# Allegro board SG2042_EVB_V1_1.brd (continued)
## Routing (per net, layer and track width the routed paths; a pad name or vN(x,y) marks a point on that pad's centre or on a via; arc(x,y) is an arc through that point) (continued)
GND_EARTH: length 26.9
  TOP w0.254: J9.14 34.31,234.92 ; J9.14 30.96,234.92 ; J9.14 32.64,233.25 ; J9.14 32.64,236.6 ; 14.71,234.92 J9.13 ; J9.13 16.39,233.25 ; J9.13 16.39,236.6 ; J9.13 18.06,234.92
  BOTTOM w0.254: J9.14 34.31,234.92 ; J9.14 30.96,234.92 ; J9.14 32.64,236.6 ; J9.14 32.64,233.25 ; 14.71,234.92 J9.13 ; J9.13 16.39,236.6 ; J9.13 16.39,233.25 ; J9.13 18.06,234.92
  vias: v1(15.24,243.23) v1(15.24,240.69) v1(15.24,238.15) v1(15.24,230.53) v1(15.24,227.99) v1(15.24,225.45) v1(15.7,223.67) v1(15.7,222.81) v1(15.7,221.95) v1(16.51,241.96) v1(16.51,231.8) v1(16.51,226.72) v1(16.56,223.67) v1(16.56,222.81) v1(16.56,221.95) v1(17.78,243.23) v1(17.78,240.69) v1(17.78,233.07) v1(17.78,230.53) v1(17.78,225.45) v1(18.03,227.86) v1(18.49,222.46) v1(19.05,241.96) v1(19.05,234.34) v1(19.05,231.8) v1(19.05,226.72) v1(20.32,243.23) v1(20.32,240.69) v1(20.32,238.15) v1(20.32,233.07) v1(20.32,227.99) v1(20.38,222.46) v1(21.59,241.96) v1(21.59,239.42) v1(21.59,236.88) v1(21.59,224.18) v1(22.3,222.46) v1(22.86,243.23) v1(22.86,240.69) v1(22.86,238.15) v1(22.86,233.07) v1(22.86,230.53) v1(22.86,227.99) v1(22.86,225.45) v1(24.13,241.96) v1(24.13,239.42) v1(24.13,229.26) v1(24.13,226.72) v1(24.19,222.46) v1(25.4,243.23) v1(25.4,240.69) v1(25.4,238.15) v1(26.11,222.46) v1(26.49,232.94) v1(26.67,241.96) v1(26.67,239.42) v1(26.67,226.72) v1(27.94,243.23) v1(27.94,240.69) v1(27.94,238.15) v1(27.94,227.99) v1(27.94,225.45) v1(28,222.46) v1(29.21,241.96) v1(29.21,236.88) v1(29.21,234.34) v1(29.21,231.8) v1(29.21,226.72) v1(29.21,224.18) v1(29.92,222.46) v1(30.48,243.23) v1(30.48,240.69) v1(30.48,235.61) v1(30.48,233.07) v1(30.48,230.53) v1(30.48,225.45) v1(30.99,227.86) v1(31.75,241.96) v1(31.75,231.8) v1(31.81,222.46) v1(32.46,223.67) v1(32.46,222.81) v1(32.46,221.95) v1(33.02,243.23) v1(33.02,240.69) v1(33.02,238.15) v1(33.02,233.07) v1(33.02,230.53) v1(33.02,227.99) v1(33.32,223.67) v1(33.32,222.81) v1(33.32,221.95) v1(34.29,241.96) v1(34.29,239.42) v1(34.29,236.88) v1(34.29,231.8) v1(34.29,229.26) v1(34.29,226.72)
VBAT: length 4.8
  TOP w0.508: BT2000.1 U2001.3
VBUS1: length 4.9
  TOP w0.254: v1(280.62,235.53) C597.1 C593.1 282.32,235.31 U15.7 ; U15.8 v1(280.47,233.12)
  TOP w0.381: FB8.1 v1(287.1,234.7)
VBUS2: length 4.9
  TOP w0.254: v1(269.52,235.53) C1670.1 C1671.1 271.22,235.31 U805.7 ; U805.8 v1(269.37,233.12)
  TOP w0.381: FB1106.1 v1(276,234.7)
VBUS3: length 4.9
  TOP w0.254: v1(258.42,235.53) C3168.1 C3169.1 260.12,235.31 U2002.7 ; U2002.8 v1(258.27,233.12)
  TOP w0.381: FB2001.1 v1(264.9,234.7)
VCC_SD: length 17.1
  TOP w0.254: C531.2 47.09,223.62 v1(47.02,223.55) 46.79,223.55 FB2.1 ; C531.2 R45.1 ; C531.2 C532.2 C533.2 C534.2 C535.2 47.37,227.33 J8.4 ; R48.1 v1(44.88,224.31) ; R2127.1 v1(51.46,224.31)
  ART10 w0.254: v1(51.46,224.31) 50.22,223.06 47.5,223.06 v1(47.02,223.55) 45.64,223.55 v1(44.88,224.31)
VDD_3V3: length 516.1
  TOP w0.203: v1(61.72,200.1) 61.67,200.05 U37.47
  TOP w0.254: R2405.2 v1(246.18,44.4) R2404.2 ; R2402.2 v1(286.82,44.4) R2401.2 ; R574.2 v1(145.44,8.97) ; R2431.2 v1(157.28,12.7) ; v1(230.23,201.35) R1357.1 R1353.1 R1354.1 R1355.1 ; R1306.2 R443.1 221.74,116.92 C3153.1 221.21,116.74 C3152.1 221.53,115.45 U47.10 ; R2429.2 v1(154.69,12.7) ; v1(275.03,45.14) R2400.2 ; R2407.2 v1(29.77,103.66) ; R1363.1 R1364.1 v1(52.04,199.42) ; v1(44.58,197.99) R1360.1 R1361.1 R1362.1 ; R1356.1 v1(233.02,201.35) ; U56.10 54.19,117.71 C3151.1 53.87,119 C3149.1 54.41,119.18 R655.1 R1305.2 ; U2011.19 v1(17.59,186.16) ; R2408.2 v1(17.98,104.4) R2406.2 ; R2430.2 v1(155.55,11.89) ; R2403.2 v1(234.39,45.14)
  TOP w0.305: v1(289.41,224.13) C3283.2 290.02,222.72 290.32,222.42 U12.19 ; U806.19 290.27,155.51 289.97,155.82 C3285.2 v1(289.36,157.23) ; U807.19 290.27,140.27 289.97,140.58 C3287.2 v1(289.36,141.99) ; U814.19 205.89,220.72 205.59,221.02 C3289.1 v1(204.98,222.43) ; U2003.19 v1(289.21,189.02) ; U14.19 290.32,207.18 290.02,207.48 C3284.2 v1(289.41,208.89) ; U2006.19 289.46,173.78 289.15,174.08 C3286.2 v1(288.54,175.49)
  TOP w0.381: C3149.1 v1(53.7,119.94) ; FB3.2 v1(22.89,189.23) ; v1(90.09,217.14) 90.09,213.11 T47.1
  ART03 w0.254: v1(275.03,45.14) 276.56,43.61 286.03,43.61 v1(286.82,44.4) ; v1(246.18,44.4) 245.39,43.61 235.92,43.61 v1(234.39,45.14) ; v1(17.98,104.4) 18.99,105.41 28.02,105.41 v1(29.77,103.66) 31.44,105.33 38.79,105.33 53.39,119.94 v1(53.7,119.94) v1(53.7,120.4)
  ART03 w0.381: v1(154.69,12.7) 149.17,12.7 v1(145.44,8.97) ; v1(52.04,199.42) 53.7,201.07 60.22,201.07 61.19,200.1 v1(61.72,200.1)
  ART03 w1.016: v1(233.48,211.38) 235.08,209.78 266.04,209.78 267.46,211.2 269.21,211.2 271.65,208.76 283.49,208.76 285.01,207.24 v1(289.41,207.24)
  ART05 w0.254: 299.69,192.99 J14.2 ; J14.2 301.57,192.99 ; J14.2 300.63,193.93 ; J14.2 300.63,192.05 ; J13.1 300.63,132.59 ; J13.1 299.69,131.65 ; J13.1 301.57,131.65 ; J13.1 300.63,130.71 ; 297.2,226.49 J2007.1 ; J2007.1 298.15,227.43 ; J2007.1 298.15,225.55 ; J2007.1 299.09,226.49 ; 297.2,223.95 J2007.3 ; J2007.3 298.15,223.01 ; J2007.3 299.09,223.95 ; J2007.3 298.15,224.89 ; J2007.4 301.63,223.95 ; J2007.4 299.74,223.95 ; J2007.4 300.69,224.89 ; J2007.4 300.69,223.01 ; J2007.2 300.69,227.43 ; J2007.2 300.69,225.55 ; J2007.2 299.74,226.49 ; J2007.2 301.63,226.49 ; J14.1 298.09,193.93 ; J14.1 299.03,192.99 ; J14.1 297.15,192.99 ; J14.1 298.09,192.05
  PWR07 w0.254: v1(275.03,45.14) 274.29,44.4 248.01,44.4 247.52,44.88 246.66,44.88 v1(246.18,44.4)
  ART10 w0.254: v1(204.98,222.43) v1(204.98,210.29) ; v1(89.48,224.26) 90.78,222.96 90.78,217.83 v1(90.09,217.14)
  ART10 w0.381: v1(17.59,186.16) 16.25,186.16 10.08,192.33 5.51,192.33 J2020.1 ; v1(289.13,15.93) 284.73,11.53 206.2,11.53 204.47,13.26 175.19,13.26 174.63,12.7 v1(157.28,12.7) 156.46,11.89 v1(155.55,11.89) 155.5,11.89 v1(154.69,12.7) 147.5,19.89 146.99,19.89 142.44,24.43 v1(135.03,24.43)
  BOTTOM w0.254: R621.1 v1(233.48,211.38) ; 61.09,200.08 61.7,200.08 v1(61.72,200.1) ; R2190.2 R2191.2 R2192.2 R2193.2 R2194.2 R2195.2 R2196.2 R2197.2 v1(293.6,183.01) ; v1(89.48,224.26) C1212.1 R337.2
  BOTTOM w0.381: v1(52.04,199.42) 46,199.42 v1(44.58,197.99) 38.38,197.99 30.28,189.89 23.55,189.89 v1(22.89,189.23) 20.66,189.23 v1(17.59,186.16) ; FB12.1 v1(135.03,24.43)
  vias: v1(87.81,217.14) v1(88.27,217.14) v1(88.72,217.14) v1(89.18,217.14) v1(89.64,217.14) v1(221.23,118.14) v1(221.23,117.68)
VDD_12V: length 167.3
  TOP w0.102: U2005.5 112.5,219.56 112.22,219.28 112.22,216.54 111.65,215.98 109.55,215.98 109.45,215.87 R2393.1
  TOP w0.254: U55.28 52.53,77.04 ; U34.25 181.38,198.19 ; U36.28 161.27,199.54 ; v1(225.48,216.48) R622.1 R2449.1 ; C1348.1 120.04,201.63 ; C1298.1 130.1,201.63 ; 217.8,75.16 U54.30 218.22,74.48 ; 150.06,201.67 U39.30 150.47,200.82 ; U34.26 181.38,198.64 ; 53.68,75.09 U55.30 53.26,75.77 ; 180.23,201.67 U34.30 180.65,200.82 ; U35.26 171.32,198.64 ; U54.26 217.07,77.33 ; 99.76,201.67 U44.30 100.18,200.82 ; U42.25 121.03,198.19 ; U44.25 100.91,198.19 ; U41.25 110.97,198.19 ; 160.11,201.67 U36.30 160.53,200.82 ; U41.28 110.97,199.54 ; U40.25 141.15,198.19 ; U40.27 141.15,199.09 ; 170.65,200.67 U35.29 171.32,199.99 ; U35.27 171.32,199.09 ; 131.09,199.99 U38.29 130.41,200.67 ; U43.28 122.45,16.99 ; U38.26 131.09,198.64 ; C1363.1 123.44,14.91 ; 140,201.67 U40.30 140.41,200.82 ; 141.15,199.99 U40.29 140.47,200.67 ; U44.26 100.91,198.64 ; U55.27 52.53,77.49 ; U39.25 151.21,198.19 ; 110.97,199.99 U41.29 110.3,200.67 ; U38.28 131.09,199.54 ; C1244.1 170.33,201.63 ; U36.27 161.27,199.09 ; 100.24,200.67 U44.29 100.91,199.99 ; C1239.1 180.39,201.63 ; 129.94,201.67 U38.30 130.36,200.82 ; 123.13,15.87 U43.29 122.45,16.54 ; U44.27 100.91,199.09 ; U43.27 122.45,17.44 ; U42.28 121.03,199.54 ; U55.25 52.53,78.39 ; U36.26 161.27,198.64 ; C1304.1 140.16,201.63 ; 170.17,201.67 U35.30 170.59,200.82 ; U34.27 181.38,199.09 ; 160.59,200.67 U36.29 161.27,199.99 ; U39.26 151.21,198.64 ; U35.28 171.32,199.54 ; v1(66.32,200.41) R2447.1 R364.1 ; 121.03,199.99 U42.29 120.36,200.67 ; U54.27 217.07,76.88 ; 180.71,200.67 U34.29 181.38,199.99 ; 217.74,75.3 U54.29 217.07,75.98 ; U42.27 121.03,199.09 ; U44.28 100.91,199.54 ; 109.82,201.67 U41.30 110.24,200.82 ; 120.3,200.82 U42.30 119.88,201.67 ; C1516.1 53.52,74.96 ; U54.28 217.07,76.43 ; U41.26 110.97,198.64 ; C1353.1 109.98,201.63 ; U38.27 131.09,199.09 ; U35.25 171.32,198.19 ; 123.6,15.04 U43.30 123.19,15.72 ; U55.26 52.53,77.94 ; C1295.1 150.22,201.63 ; C1358.1 99.92,201.63 ; C1249.1 160.27,201.63 ; U40.28 141.15,199.54 ; U43.25 122.45,18.34 ; C1499.1 218.06,74.35 ; U39.27 151.21,199.09 ; U39.28 151.21,199.54 ; U36.25 161.27,198.19 ; 52.53,76.59 U55.29 53.2,75.91 ; U38.25 131.09,198.19 ; U54.25 217.07,77.78 ; U42.26 121.03,198.64 ; 151.21,199.99 U39.29 150.53,200.67 ; U41.27 110.97,199.09 ; U34.28 181.38,199.54 ; U43.26 122.45,17.89 ; U40.26 141.15,198.64
  ART03 w0.381: v1(98.44,199.7) 97.74,200.41 91.26,200.41 90.17,201.5 67.41,201.5 v1(66.32,200.41)
  BOTTOM w0.254: 181.64,201.57 184.91,201.57 188.29,204.95 202.95,204.95 213.79,215.8 224.79,215.8 v1(225.48,216.48)
  vias: v1(52.43,77.93) v1(52.43,77.06) v1(52.43,76.2) v1(53.19,75.16) v1(53.75,76.86) v1(54.39,77.49) v1(55.02,78.13) v1(55.02,76.86) v1(98.44,198.48) v1(99.05,199.09) v1(99.66,199.7) v1(99.66,198.48) v1(100.25,201.42) v1(101.02,200.38) v1(101.02,199.52) v1(101.02,198.65) v1(107.47,212.34) v1(107.47,211.89) v1(107.92,212.34) v1(107.92,211.89) v1(108.38,212.34) v1(108.38,211.89) v1(108.5,199.7) v1(108.5,198.48) v1(108.84,212.34) v1(108.84,211.89) v1(109.11,199.09) v1(109.3,212.34) v1(109.3,211.89) v1(109.72,199.7) v1(109.72,198.48) v1(109.75,212.34) v1(109.75,211.89) v1(110.21,212.34) v1(110.21,211.89) v1(110.31,201.42) v1(110.67,212.34) v1(110.67,211.89) v1(111.12,212.34) v1(111.12,211.89) v1(111.07,200.38) v1(111.07,199.52) v1(111.07,198.65) v1(111.58,212.34) v1(111.58,211.89) v1(118.56,199.7) v1(118.56,198.48) v1(119.17,199.09) v1(119.78,199.7) v1(119.78,198.48) v1(120.37,201.42) v1(121.13,200.38) v1(121.13,199.52) v1(121.13,198.65) v1(122.35,17.88) v1(122.35,17.02) v1(122.35,16.15) v1(123.11,15.11) v1(123.68,16.81) v1(124.31,17.44) v1(124.95,18.08) v1(124.95,16.81) v1(128.62,199.7) v1(128.62,198.48) v1(129.23,199.09) v1(129.84,199.7) v1(129.84,198.48) v1(130.43,201.42) v1(131.19,200.38) v1(131.19,199.52) v1(131.19,198.65) v1(138.68,199.7) v1(138.68,198.48) v1(139.29,199.09) v1(139.9,199.7) v1(139.9,198.48) v1(140.49,201.42) v1(141.25,200.38) v1(141.25,199.52) v1(141.25,198.65) v1(148.74,199.7) v1(148.74,198.48) v1(149.35,199.09) v1(149.96,199.7) v1(149.96,198.48) v1(150.55,201.42) v1(151.31,200.38) v1(151.31,199.52) v1(151.31,198.65) v1(158.79,199.7) v1(158.79,198.48) v1(159.4,199.09) v1(160.01,199.7) v1(160.01,198.48) v1(160.6,201.42) v1(161.37,200.38) v1(161.37,199.52) v1(161.37,198.65) v1(168.85,199.7) v1(168.85,198.48) v1(169.46,199.09) v1(170.07,199.7) v1(170.07,198.48) v1(170.66,201.42) v1(171.42,200.38) v1(171.42,199.52) v1(171.42,198.65) v1(178.91,199.7) v1(178.91,198.48) v1(179.52,199.09) v1(180.13,199.7) v1(180.13,198.48) v1(180.72,201.42) v1(181.48,200.38) v1(181.48,199.52) v1(181.48,198.65) v1(216.97,77.32) v1(216.97,76.45) v1(216.97,75.59) v1(217.73,74.55) v1(218.29,76.25) v1(218.93,76.88) v1(219.56,77.52) v1(219.56,76.25)
VDD_EMMC_1V8: length 4.7
  BOTTOM w0.102: R35.1 132,50.95 132.11,50.85 132.11,47.75 131.95,47.6 131.56,47.6 U3.5
  vias: v1(130.07,50.8) v1(130.07,49.89) v1(130.99,49.89) v1(133.47,92.65) v1(134.47,93.65) v1(134.47,92.65)
VDD_EMMC_3V3: length 2.8
  TOP w0.102: U4.5 132.77,49.08 132.77,49.5 132.87,49.61 132.87,50.85 132.77,50.95 R37.1
  vias: v1(131.39,52.4) v1(132.26,52.4) v1(135.47,92.65) v1(136.47,93.65) v1(136.47,92.65)
VDD_MCU: length 125.2
  TOP w0.254: R576.2 v1(255.88,233.53) ; v1(266.9,181.23) 271.58,181.23 TP34.1 R2021.1 ; v1(213.87,183.57) C584.2 214.49,183.55 U11.1 ; R2440.2 v1(248.31,192.23)
  TOP w0.305: U2009.28 253.95,183.19 v1(254,183.14) ; v1(250.25,192.8) 250.3,192.85 U2009.11 ; v1(267.66,197.9) 267.61,197.85 U2009.75 ; v1(265,183.14) 264.95,183.19 U2009.50 ; U2009.100 252.95,200.5 v1(252.9,200.55) ; U2009.6 v1(250.25,195.35)
  ART10 w0.381: v1(254.23,203.89) 253.01,205.1 253.01,232.46 254.08,233.53 v1(255.88,233.53)
  BOTTOM w0.254: R2093.1 R2094.1 ; R2093.1 v1(257.68,201.85) ; R2093.1 R2314.1 R2315.1 R2316.1 ; R2491.1 R2240.1 R2239.1 269.57,197.21 268.78,197.99 C3255.2 ; v1(266.9,181.23) R483.1 R484.1 R2442.2 R2313.1 R2312.1 R2311.1 R2310.1 R2309.1 R2308.1 R2307.1 ; R2340.2 v1(252.3,191.34) ; R2037.1 v1(253.82,187.1) ; R2342.2 v1(259.31,185.17) ; R2341.2 v1(255.09,198.5)
  BOTTOM w0.305: FB2015.1 C3252.2 ; C3252.2 252.81,200.65 v1(252.9,200.55) 252.81,200.46 C3256.2 ; C3252.2 v1(252.2,201.17) ; C3258.2 250.36,192.68 v1(250.25,192.8) ; C3259.2 254.1,183.24 v1(254,183.14) 254.1,183.04 C3253.2 ; FB2014.1 v1(253.26,188.8) ; C3261.2 267.56,197.99 v1(267.66,197.9) 267.75,197.99 C3255.2 ; C3257.2 250.25,195.35 v1(250.25,195.35) ; C3254.2 265.1,183.04 v1(265,183.14) 265.1,183.24 C3260.2
  BOTTOM w0.381: v1(213.87,183.57) 214.45,184.15 220.01,184.15 220.4,183.77 v1(252.27,183.77)
VDD_PCIE0_12V: length 6.6
  TOP w0.635: J2018.B3 285.85,34.9 ; J2018.B1 285.85,32.9 ; J2018.A3 276,34.9 ; J2018.B2 285.85,33.9 ; J2018.A2 276,33.9
  vias: v1(275.97,34.9) v1(275.97,33.9) v1(285.88,34.9) v1(285.88,33.9) v1(285.88,32.9)
VDD_PCIE1_12V: length 6.6
  TOP w0.635: J1104.A2 28.8,114.9 ; J1104.B1 18.95,115.9 ; J1104.B3 18.95,113.9 ; J1104.A3 28.8,113.9 ; J1104.B2 18.95,114.9
  vias: v1(18.92,115.9) v1(18.92,114.9) v1(18.92,113.9) v1(28.83,114.9) v1(28.83,113.9)
VDD_PCIE2_12V: length 6.6
  TOP w0.635: J2019.A2 235.36,33.9 ; J2019.A3 235.36,34.9 ; J2019.B2 245.21,33.9 ; J2019.B3 245.21,34.9 ; J2019.B1 245.21,32.9
  vias: v1(235.33,34.9) v1(235.33,33.9) v1(245.24,34.9) v1(245.24,33.9) v1(245.24,32.9)
VDD_PCIE_C_0V8: length 2.2
  TOP w0.102: R685.2 146.43,42.21 146.33,42.32 146.33,43.08 146.43,43.18 146.43,43.47 U26.5
  vias: v1(125.47,88.65) v1(126.47,89.65) v1(127.47,88.65) v1(128.47,89.65) v1(129.47,88.65) v1(130.47,89.65) v1(131.47,88.65) v1(132.47,89.65) v1(133.47,88.65) v1(134.47,89.65) v1(135.47,88.65) v1(136.47,89.65) v1(137.47,88.65) v1(138.47,89.65) v1(139.47,88.65) v1(140.47,89.65) v1(141.47,88.65) v1(142.47,89.65) v1(143.47,88.65) v1(144.47,89.65) v1(145.47,88.65) v1(146.47,89.65) v1(147.47,88.65) v1(148.03,42.72) v1(148.03,42.27) v1(148.03,41.81) v1(148.03,41.35) v1(148.47,89.65) v1(149.47,88.65) v1(150.47,89.65) v1(151.47,88.65)
VDD_PCIE_D_0V8: length 81.3
  TOP w0.102: U24.5 137.77,45.1 137.77,44.75 137.64,44.63 136.6,44.63 136.32,44.35 136.32,43.48 136.19,43.36 135.59,43.36 135.46,43.48 R686.2
  TOP w0.254: R2183.2 143.33,27.46 C1562.2 v1(143.31,26.82)
  TOP w0.381: v1(133.47,90.65) U1.BC25 v1(135.47,90.65) U1.BC27 v1(137.47,90.65)
  PWR07 w0.102: v1(137.47,90.65) 137.09,90.26 135.22,90.26 134.86,89.9 134.86,55.32 136.91,53.27 136.91,43.69 137.54,43.06 137.54,34.12 143.31,28.35 v1(143.31,26.82)
  vias: v1(125.47,90.65) v1(127.47,90.65) v1(129.47,90.65) v1(130.47,93.65) v1(130.47,91.65) v1(131.47,92.65) v1(131.47,90.65) v1(132.47,93.65) v1(132.47,91.65) v1(133.38,45.03) v1(134.49,45.03) v1(134.95,45.49) v1(134.95,45.03) v1(135.41,45.49) v1(135.41,45.03) v1(135.86,45.49) v1(135.86,45.03) v1(138.47,91.65) v1(139.47,90.65) v1(140.47,91.65) v1(141.47,92.65) v1(141.47,90.65) v1(142.47,93.65) v1(142.47,91.65) v1(143.47,92.65) v1(143.47,90.65) v1(144.47,93.65) v1(144.47,91.65) v1(145.47,92.65) v1(145.47,90.65) v1(146.47,91.65) v1(147.47,90.65) v1(149.47,90.65) v1(151.47,90.65)
VDD_PCIE_D_0V8_H: length 7.3
  TOP w0.102: R685.1 146.02,42.21 146.13,42.32 146.13,43.07 146.04,43.17 146.04,43.47 U26.4 ; U24.4 138.17,45.1 138.17,44.79 137.75,44.37 136.7,44.37 136.58,44.25 136.58,43.38 136.3,43.1 135.59,43.1 135.46,42.98 R686.1
  vias: v1(132.46,40.89) v1(132.46,40.03) v1(133.32,40.89) v1(133.32,40.03) v1(134.19,40.89) v1(134.19,40.03) v1(135.05,40.89) v1(135.05,40.03) v1(135.92,40.89) v1(135.92,40.03)
VDD_PCIE_H_1V8: length 4
  BOTTOM w0.102: U27.5 152.35,36.87 152.35,37.57 152.81,38.02 154.48,38.02 154.58,38.13 R349.2
  vias: v1(124.47,87.65) v1(126.47,87.65) v1(128.47,87.65) v1(130.47,87.65) v1(132.47,87.65) v1(134.47,87.65) v1(136.47,87.65) v1(138.47,87.65) v1(140.47,87.65) v1(142.47,87.65) v1(144.47,87.65) v1(146.47,87.65) v1(148.47,87.65) v1(150.47,87.65) v1(152.47,87.65) v1(154.15,39.7) v1(155.02,39.7) v1(155.88,39.7)
VDD_PCIE_H_1V8_H: length 16.5
  ART10 w0.254: v1(152.22,26.06) 152.22,32.74 v1(155.07,35.59)
  BOTTOM w0.102: R342.1 154.58,37.67 154.48,37.77 152.91,37.77 152.75,37.6 152.75,36.87 U27.4
  BOTTOM w0.254: v1(152.22,26.06) C1220.1 R344.2 ; C1221.2 v1(155.07,35.59)
VDD_PLL_0V8: length 5.1
  BOTTOM w0.102: U20.5 148.66,40.84 146.15,40.84 146.05,40.94 R308.2
  BOTTOM w0.381: FB7.1 v1(151.97,108.15) ; FB9.1 v1(123.97,108.15)
  vias: v1(143.54,44.68) v1(143.54,43.81) v1(144.4,44.68) v1(144.4,43.81)
VDD_PLL_0V8_H: length 15
  ART10 w0.254: v1(145.47,29.9) 146.23,30.66 146.23,37.16 v1(147.47,38.4)
  BOTTOM w0.102: U20.4 148.63,40.42 148.25,40.42 148.03,40.64 146.15,40.64 146.05,40.54 R308.1
  BOTTOM w0.254: v1(145.47,29.9) 144.81,29.24 C1170.1 R311.2
VDD_RGMII_1V8: length 12.6
  TOP w0.381: U1.BF11 v1(119.97,88.15) ; U1.BG11 v1(119.97,87.15)
  BOTTOM w0.102: v1(125.4,45.52) 125.83,45.95 R56.1 ; R56.1 v1(126.29,46.94) ; R56.1 127,45.95 127.1,45.85 127.1,45 127.55,44.55 129.68,44.55 130.15,45.03 130.15,45.3 U6.5
  BOTTOM w0.381: C1476.2 v1(119.97,88.15) ; v1(119.97,88.15) C1474.2 ; v1(119.97,88.15) C1475.2 v1(119.97,87.15) 119.48,86.65 C1473.2 ; C1471.2 v1(122.47,88.65)
  vias: v1(122.47,87.65) v1(125.4,46.43)
VDD_SENSE_N: length 58.4
  BOTTOM w0.102: v1(137.47,105.65) 138.07,106.25 138.07,128.96 138.57,129.46 138.57,132.86 138.66,132.94
  BOTTOM w0.254: 135.53,160.91 135.31,160.68 135.31,156.87 133.88,155.45 133.88,146.25 138.66,141.48 138.66,132.94
VDD_SENSE_P: length 57.3
  BOTTOM w0.102: 138.28,132.94 138.37,132.85 138.37,129.54 137.87,129.04 137.87,107.05 v1(137.47,106.65)
  BOTTOM w0.254: 134.67,160.91 134.92,160.66 134.92,157.03 133.5,155.61 133.5,146.1 138.28,141.32 138.28,132.94
VDD_VDRV: length 489.4
  TOP w0.254: v1(224.71,77.47) C1505.1 223.87,77.24 U54.4 ; U42.4 114.23,198.74 C1370.1 v1(113.39,198.5) ; U39.4 144.4,198.74 C1314.1 v1(143.56,198.5) ; v1(103.33,198.5) C1368.1 104.17,198.74 U41.4 ; v1(60.17,78.08) C1522.1 59.33,77.85 U55.4 ; v1(163.68,198.5) C1259.1 164.52,198.74 U35.4 ; U40.4 134.35,198.74 C1310.1 v1(133.5,198.5) ; U36.4 154.46,198.74 C1261.1 v1(153.62,198.5) ; U38.4 124.29,198.74 C1319.1 v1(123.44,198.5) ; v1(130.1,18.03) C1385.1 129.26,17.8 U43.4 ; U44.4 94.11,198.74 C1384.1 v1(93.27,198.5) ; U34.4 174.58,198.74 C1256.1 v1(173.74,198.5)
  ART03 w0.254: v1(185.04,193.7) 185.04,184.84 199.09,170.79 209.58,170.79 212.12,168.25 212.12,119.84 213,118.95 213,97.89 212.27,97.16 212.27,85.8 215.11,82.96 215.9,82.96 217.37,81.48 222.12,81.48 222.81,80.8 222.81,78.82 224.16,77.47 v1(224.71,77.47)
  ART03 w0.381: v1(93.27,198.5) 93.27,195.1 90.37,192.2 81.51,192.2 v1(65.15,175.84)
  PWR07 w0.254: v1(60.17,78.08) 63.47,74.78 63.47,42.52 66.95,39.04 97.51,39.04 113.06,23.5 127.05,23.5 130.1,20.45 v1(130.1,18.03)
  ART10 w0.381: v1(60.17,78.08) 64.06,81.97 64.06,96.6 65.15,97.69 65.15,100.74 64.26,101.63 64.26,160.93 64.87,161.54 64.87,175.56 v1(65.15,175.84)
  BOTTOM w0.254: C1314.1 v1(143.56,198.5) ; C1314.1 144.32,198.5 145.36,199.54 145.36,200.28 145.92,200.84 R403.1 ; C1314.1 R397.1 ; C1384.1 v1(93.27,198.5) ; C1384.1 R415.1 ; C1384.1 94.03,198.5 95.07,199.54 95.07,200.28 95.63,200.84 R426.1 ; v1(60.17,78.08) C1522.1 ; C1522.1 58.93,78.08 58.37,77.52 58.37,76.3 57.81,75.74 R651.1 ; C1522.1 R649.1 ; C1259.1 v1(163.68,198.5) ; C1259.1 R368.1 ; C1259.1 164.44,198.5 165.48,199.54 165.48,200.28 166.04,200.84 R378.1 ; C1505.1 223.47,77.47 222.91,76.91 222.91,75.69 222.35,75.13 R645.1 ; C1505.1 v1(224.71,77.47) ; C1505.1 R642.1 ; R425.1 105.69,200.84 105.13,200.28 105.13,199.54 104.09,198.5 C1368.1 ; R399.1 C1310.1 ; C1310.1 v1(133.5,198.5) ; C1310.1 134.26,198.5 135.31,199.54 135.31,200.28 135.86,200.84 R404.1 ; C1370.1 114.15,198.5 115.19,199.54 115.19,200.28 115.75,200.84 R424.1 ; C1370.1 R422.1 ; C1370.1 v1(113.39,198.5) ; C1319.1 v1(123.44,198.5) ; C1319.1 124.21,198.5 125.25,199.54 125.25,200.28 125.81,200.84 R405.1 ; C1319.1 R401.1 ; C1385.1 129.49,17.14 ; C1385.1 128.85,18.03 128.3,17.48 128.3,16.26 127.74,15.7 R427.1 ; C1385.1 v1(130.1,18.03) ; C1261.1 154.38,198.5 155.42,199.54 155.42,200.28 155.98,200.84 R381.1 ; C1261.1 R366.1 ; C1261.1 v1(153.62,198.5) ; C1368.1 v1(103.33,198.5) ; C1368.1 R418.1 ; C1256.1 v1(173.74,198.5) ; C1256.1 174.5,198.5 175.54,199.54 175.54,200.28 176.1,200.84 R377.1 ; C1256.1 R365.1
  vias: v1(90.98,202.74) v1(90.98,201.88) v1(91.85,202.74) v1(91.85,201.88) v1(94.69,218.54) v1(94.69,217.68) v1(95.55,218.54) v1(95.55,217.68)
VDDA_MCU: length 4
  TOP w0.305: U2009.22 250.5,187.35 v1(250.25,187.6) 250.49,187.85 U2009.21
  BOTTOM w0.305: v1(250.25,187.6) 250.25,187.6 C3262.2 250.88,188.67 FB2014.2
VDDC: length 33.9
  TOP w0.102: U815.5 113.44,169.02 113.44,168.71 114.05,168.1 135,168.1 135.1,168 R2420.1
  TOP w0.381: v1(149.59,113.26) 149.98,113.65 U1.AA41 ; v1(126.36,109.45) 126.27,109.45 U1.AF16 ; U1.AD16 125.47,110.82 126.36,111.71 v1(126.36,112.04) ; v1(149.59,110.67) 149.59,110.53 U1.AE41 ; U1.AM16 126.36,101.76 v1(126.36,101.62)
  TOP w0.508: TP7.1 138.2,163.8
  BOTTOM w0.254: v1(134.52,163.47) 134.67,163.32 R376.2
  vias: v1(116.38,164.34) v1(117.25,164.34) v1(117.25,163.47) v1(118.11,164.34) v1(118.11,163.47) v1(118.97,164.34) v1(118.97,163.47) v1(119.84,164.34) v1(119.84,163.47) v1(120.7,164.34) v1(120.7,163.47) v1(121.56,164.34) v1(121.56,163.47) v1(122.43,164.34) v1(122.43,163.47) v1(123.29,164.34) v1(123.29,163.47) v1(124.16,164.34) v1(124.16,163.47) v1(125.02,164.34) v1(125.02,163.47) v1(125.47,124.65) v1(125.47,122.65) v1(125.47,120.65) v1(125.47,118.65) v1(125.47,116.65) v1(125.47,114.65) v1(125.47,100.65) v1(125.47,98.65) v1(125.47,96.65) v1(125.47,94.65) v1(125.47,92.65) v1(125.88,164.34) v1(125.88,163.47) v1(126.36,117.22) v1(126.36,114.63) v1(126.36,106.86) v1(126.36,104.21) v1(126.36,99.03) v1(126.36,96.44) v1(126.47,123.65) v1(126.47,121.65) v1(126.47,119.65) v1(126.47,93.65) v1(126.47,91.65) v1(126.75,164.34) v1(126.75,163.47) v1(126.77,116.96) v1(126.77,114.37) v1(126.77,111.78) v1(126.77,109.19) v1(126.77,106.6) v1(126.77,103.96) v1(126.77,101.37) v1(126.77,98.78) v1(126.77,96.19) v1(127.47,124.65) v1(127.47,122.65) v1(127.47,120.65) v1(127.47,118.65) v1(127.47,116.65) v1(127.47,114.65) v1(127.47,112.65) v1(127.47,110.65) v1(127.47,108.65) v1(127.47,106.65) v1(127.47,104.65) v1(127.47,102.65) v1(127.47,100.65) v1(127.47,98.65) v1(127.47,96.65) v1(127.47,92.65) v1(127.61,164.34) v1(127.61,163.47) v1(127.69,117.6) v1(127.94,118.01) v1(128.47,164.34) v1(128.47,163.47) v1(128.47,123.65) v1(128.47,121.65) v1(128.47,119.65) v1(128.47,115.65) v1(128.47,113.65) v1(128.47,111.65) v1(128.47,109.65) v1(128.47,107.65) v1(128.47,105.65) v1(128.47,103.65) v1(128.47,101.65) v1(128.47,99.65) v1(128.47,97.65) v1(128.47,95.65) v1(128.47,93.65) v1(128.47,91.65) v1(129.16,94.28) v1(129.34,164.34) v1(129.34,163.47) v1(129.41,94.69) v1(129.47,124.65) v1(129.47,122.65) v1(129.47,120.65) v1(129.47,118.65) v1(129.47,116.65) v1(129.47,114.65) v1(129.47,112.65) v1(129.47,110.65) v1(129.47,108.65) v1(129.47,106.65) v1(129.47,104.65) v1(129.47,102.65) v1(129.47,100.65) v1(129.47,98.65) v1(129.47,96.65) v1(129.47,92.65) v1(130.2,164.34) v1(130.2,163.47) v1(130.33,117.6) v1(130.47,123.65) v1(130.47,121.65) v1(130.47,119.65) v1(130.47,115.65) v1(130.47,113.65) v1(130.47,111.65) v1(130.47,109.65) v1(130.47,107.65) v1(130.47,105.65) v1(130.47,103.65) v1(130.47,101.65) v1(130.47,99.65) v1(130.47,97.65) v1(130.47,95.65) v1(130.58,118.01) v1(131.06,164.34) v1(131.06,163.47) v1(131.47,124.65) v1(131.47,122.65) v1(131.47,120.65) v1(131.47,118.65) v1(131.47,116.65) v1(131.47,114.65) v1(131.47,112.65) v1(131.47,110.65) v1(131.47,108.65) v1(131.47,106.65) v1(131.47,104.65) v1(131.47,102.65) v1(131.47,100.65) v1(131.47,98.65) v1(131.47,96.65) v1(131.8,94.28) v1(131.93,164.34) v1(131.93,163.47) v1(132.05,94.69) v1(132.47,123.65) v1(132.47,121.65) v1(132.47,119.65) v1(132.47,115.65) v1(132.47,113.65) v1(132.47,111.65) v1(132.47,109.65) v1(132.47,107.65) v1(132.47,105.65) v1(132.47,103.65) v1(132.47,101.65) v1(132.47,99.65) v1(132.47,97.65) v1(132.47,95.65) v1(132.79,164.34) v1(132.79,163.47) v1(132.97,117.6) v1(133.22,118.01) v1(133.47,124.65) v1(133.47,122.65) v1(133.47,120.65) v1(133.47,118.65) v1(133.47,116.65) v1(133.47,114.65) v1(133.47,112.65) v1(133.47,110.65) v1(133.47,108.65) v1(133.47,106.65) v1(133.47,104.65) v1(133.47,102.65) v1(133.47,100.65) v1(133.47,98.65) v1(133.47,96.65) v1(133.65,164.34) v1(133.65,163.47) v1(134.44,94.28) v1(134.52,164.34) v1(134.47,123.65) v1(134.47,121.65) v1(134.47,119.65) v1(134.47,115.65) v1(134.47,113.65) v1(134.47,111.65) v1(134.47,109.65) v1(134.47,107.65) v1(134.47,105.65) v1(134.47,103.65) v1(134.47,101.65) v1(134.47,99.65) v1(134.47,97.65) v1(134.47,95.65) v1(134.7,94.69) v1(135.38,164.34) v1(135.38,163.47) v1(135.47,124.65) v1(135.47,122.65) v1(135.47,120.65) v1(135.47,118.65) v1(135.47,116.65) v1(135.47,114.65) v1(135.47,112.65) v1(135.47,110.65) v1(135.47,108.65) v1(135.47,106.65) v1(135.47,104.65) v1(135.47,102.65) v1(135.47,100.65) v1(135.47,98.65) v1(135.47,96.65) v1(135.61,117.6) v1(135.86,118.01) v1(136.25,164.34) v1(136.25,163.47) v1(136.47,123.65) v1(136.47,121.65) v1(136.47,119.65) v1(136.47,115.65) v1(136.47,113.65) v1(136.47,111.65) v1(136.47,109.65) v1(136.47,107.65) v1(136.47,105.65) v1(136.47,103.65) v1(136.47,101.65) v1(136.47,99.65) v1(136.47,97.65) v1(136.47,95.65) v1(137.11,164.34) v1(137.11,163.47) v1(137.08,94.28) v1(137.34,94.69) v1(137.47,124.65) v1(137.47,122.65) v1(137.47,120.65) v1(137.47,118.65) v1(137.47,116.65) v1(137.47,114.65) v1(137.47,112.65) v1(137.47,110.65) v1(137.47,108.65) v1(137.47,104.65) v1(137.47,102.65) v1(137.47,100.65) v1(137.47,98.65) v1(137.47,96.65) v1(137.97,164.34) v1(137.97,163.47) v1(138.47,123.65) v1(138.47,121.65) v1(138.47,119.65) v1(138.47,115.65) v1(138.47,113.65) v1(138.47,111.65) v1(138.47,109.65) v1(138.47,107.65) v1(138.47,105.65) v1(138.47,103.65) v1(138.47,101.65) v1(138.47,99.65) v1(138.47,97.65) v1(138.47,95.65) v1(138.61,117.6) v1(138.84,164.34) v1(138.84,163.47) v1(138.86,118.01) v1(139.47,124.65) v1(139.47,122.65) v1(139.47,120.65) v1(139.47,118.65) v1(139.47,116.65) v1(139.47,114.65) v1(139.47,112.65) v1(139.47,110.65) v1(139.47,108.65) v1(139.47,106.65) v1(139.47,104.65) v1(139.47,102.65) v1(139.47,100.65) v1(139.47,98.65) v1(139.47,96.65) v1(139.7,164.34) v1(139.7,163.47) v1(140.08,94.28) v1(140.34,94.69) v1(140.47,123.65) v1(140.47,121.65) v1(140.47,119.65) v1(140.47,115.65) v1(140.47,113.65) v1(140.47,111.65) v1(140.47,109.65) v1(140.47,107.65) v1(140.47,105.65) v1(140.47,103.65) v1(140.47,101.65) v1(140.47,99.65) v1(140.47,97.65) v1(140.47,95.65) v1(140.56,164.34) v1(140.56,163.47) v1(141.25,117.6) v1(141.43,164.34) v1(141.43,163.47) v1(141.47,124.65) v1(141.47,122.65) v1(141.47,120.65) v1(141.47,118.65) v1(141.5,118.01) v1(141.47,116.65) v1(141.47,114.65) v1(141.47,112.65) v1(141.47,110.65) v1(141.47,108.65) v1(141.47,106.65) v1(141.47,104.65) v1(141.47,102.65) v1(141.47,100.65) v1(141.47,98.65) v1(141.47,96.65) v1(142.29,164.34) v1(142.29,163.47) v1(142.47,123.65) v1(142.47,121.65) v1(142.47,119.65) v1(142.47,115.65) v1(142.47,113.65) v1(142.47,111.65) v1(142.47,109.65) v1(142.47,107.65) v1(142.47,105.65) v1(142.47,103.65) v1(142.47,101.65) v1(142.47,99.65) v1(142.47,97.65) v1(142.47,95.65) v1(142.72,94.28) v1(142.98,94.69) v1(143.15,164.34) v1(143.15,163.47) v1(143.47,124.65) v1(143.47,122.65) v1(143.47,120.65) v1(143.47,118.65) v1(143.47,116.65) v1(143.47,114.65) v1(143.47,112.65) v1(143.47,110.65) v1(143.47,108.65) v1(143.47,106.65) v1(143.47,104.65) v1(143.47,102.65) v1(143.47,100.65) v1(143.47,98.65) v1(143.47,96.65) v1(143.89,117.6) v1(144.02,164.34) v1(144.02,163.47) v1(144.15,118.01) v1(144.47,123.65) v1(144.47,121.65) v1(144.47,119.65) v1(144.47,115.65) v1(144.47,113.65) v1(144.47,111.65) v1(144.47,109.65) v1(144.47,107.65) v1(144.47,105.65) v1(144.47,103.65) v1(144.47,101.65) v1(144.47,99.65) v1(144.47,97.65) v1(144.47,95.65) v1(144.88,164.34) v1(144.88,163.47) v1(145.36,94.28) v1(145.47,124.65) v1(145.47,122.65) v1(145.47,120.65) v1(145.47,118.65) v1(145.47,116.65) v1(145.47,114.65) v1(145.47,112.65) v1(145.47,110.65) v1(145.47,108.65) v1(145.47,106.65) v1(145.47,104.65) v1(145.47,102.65) v1(145.47,100.65) v1(145.47,98.65) v1(145.47,96.65) v1(145.62,94.69) v1(145.75,164.34) v1(145.75,163.47) v1(146.47,123.65) v1(146.47,121.65) v1(146.47,119.65) v1(146.53,117.6) v1(146.47,115.65) v1(146.47,113.65) v1(146.47,111.65) v1(146.47,109.65) v1(146.47,107.65) v1(146.47,105.65) v1(146.47,103.65) v1(146.47,101.65) v1(146.47,99.65) v1(146.47,97.65) v1(146.47,95.65) v1(146.47,93.65) v1(146.61,164.34) v1(146.61,163.47) v1(146.79,118.01) v1(147.47,164.34) v1(147.47,163.47) v1(147.47,124.65) v1(147.47,122.65) v1(147.47,120.65) v1(147.47,118.65) v1(147.47,116.65) v1(147.47,114.65) v1(147.47,112.65) v1(147.47,110.65) v1(147.47,108.65) v1(147.47,106.65) v1(147.47,104.65) v1(147.47,102.65) v1(147.47,100.65) v1(147.47,98.65) v1(147.47,96.65) v1(147.47,92.65) v1(148.01,94.28) v1(148.34,164.34) v1(148.34,163.47) v1(148.26,94.69) v1(148.47,123.65) v1(148.47,121.65) v1(148.47,119.65) v1(148.47,115.65) v1(148.47,113.65) v1(148.47,111.65) v1(148.47,109.65) v1(148.47,107.65) v1(148.47,105.65) v1(148.47,103.65) v1(148.47,101.65) v1(148.47,99.65) v1(148.47,97.65) v1(148.47,95.65) v1(148.47,93.65) v1(148.47,91.65) v1(149.2,164.34) v1(149.2,163.47) v1(149.18,116.1) v1(149.18,113.51) v1(149.18,110.92) v1(149.18,108.33) v1(149.18,105.69) v1(149.18,103.1) v1(149.18,100.51) v1(149.18,97.91) v1(149.18,95.32) v1(149.47,124.65) v1(149.47,122.65) v1(149.47,120.65) v1(149.47,118.65) v1(149.47,92.65) v1(149.59,115.85) v1(149.59,108.07) v1(149.59,105.43) v1(149.59,102.84) v1(149.59,100.25) v1(149.59,97.66) v1(149.59,95.07) v1(150.06,164.34) v1(150.06,163.47) v1(150.47,123.65) v1(150.47,121.65) v1(150.47,119.65) v1(150.47,117.65) v1(150.47,115.65) v1(150.47,101.65) v1(150.47,99.65) v1(150.47,97.65) v1(150.47,95.65) v1(150.47,93.65) v1(150.47,91.65) v1(150.93,164.34) v1(150.93,163.47) v1(151.79,164.34) v1(151.79,163.47) v1(152.65,164.34) v1(152.65,163.47) v1(153.52,164.34) v1(153.52,163.47) v1(154.38,164.34) v1(154.38,163.47) v1(155.24,164.34) v1(155.24,163.47) v1(156.11,164.34) v1(156.11,163.47) v1(156.97,164.34) v1(156.97,163.47) v1(157.84,164.34) v1(157.84,163.47) v1(158.7,164.34) v1(158.7,163.47) v1(159.56,164.34)